# Altium PCB mantarray_beta2_sensor_arrayed.PcbDoc (part 11 of 14)
Units mil, origin at the board's own origin, x right, y up, seen from the top; angles counter-clockwise.
Board outline 6232.47 x 10167.51 mil, 8 copper layers (Layer1_Top, Layer2_sig1, Layer3_AVDD_PLANE, Layer4_GND_PLANE, Layer5_DVDD_PLANE, Layer6_BUS, Layer7_sig2, Layer8_BOT), stack 50.224 mil thick; 470 components, 492 nets, 4650 pads, 3798 vias.
Unrouted connection lines stored in the file: 3.
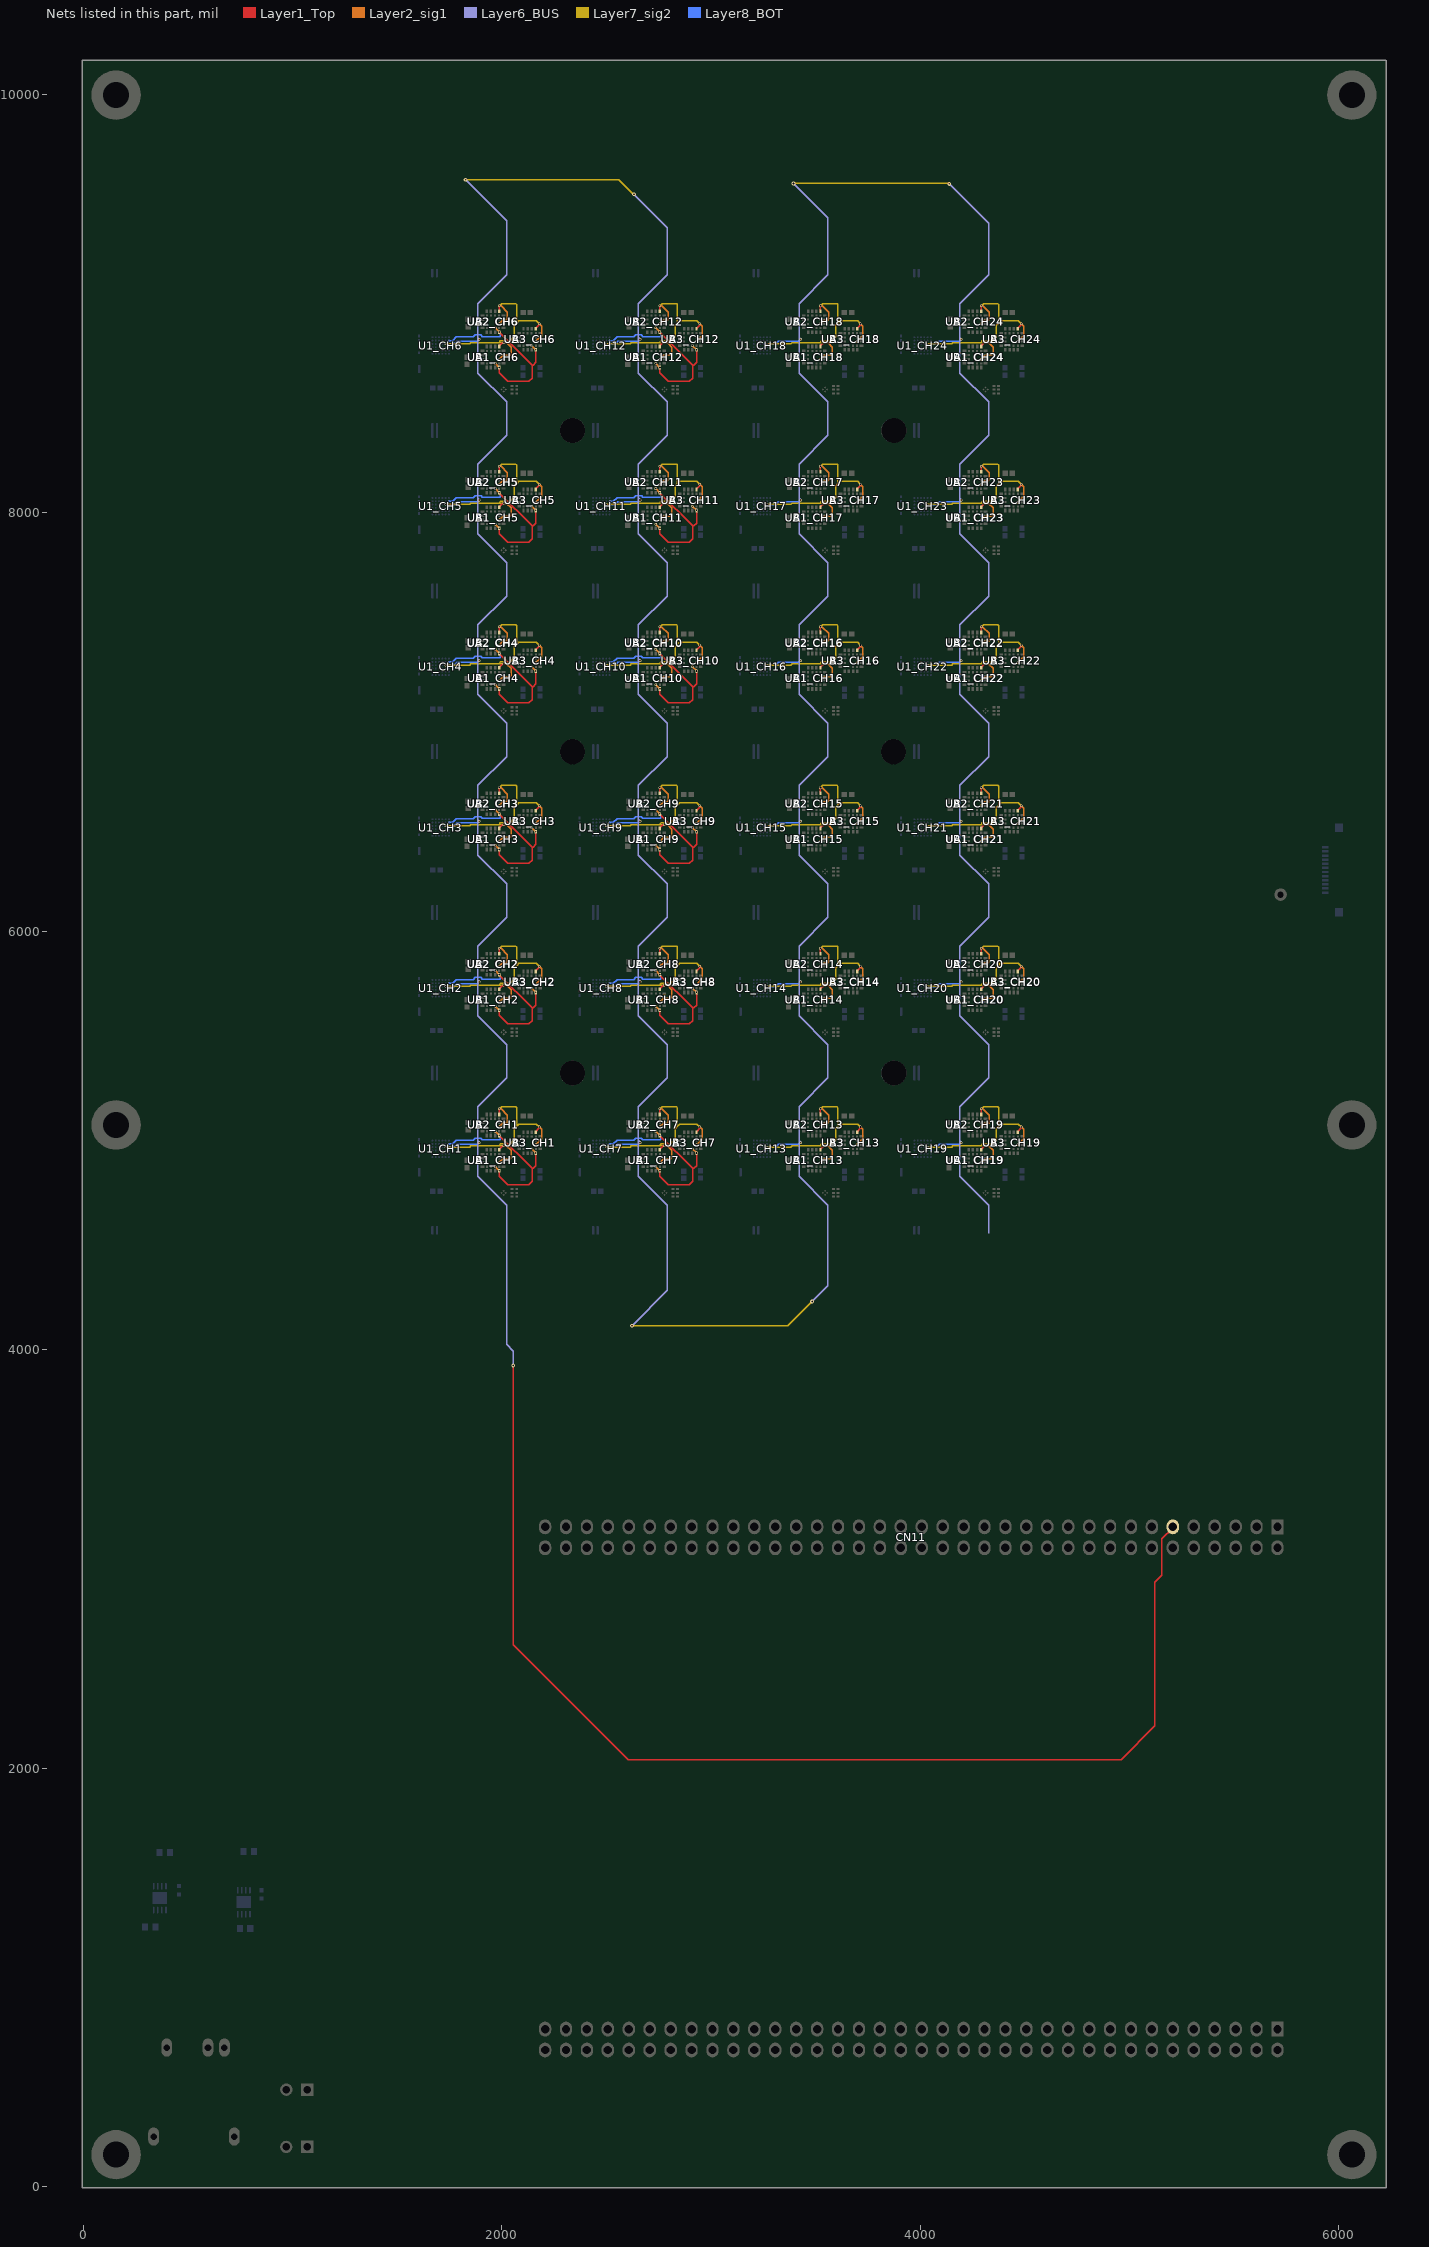
[diagram p17: the nets of this part, all layers, seen from the top]

## Via types
v1: diameter 12/12/12/12/12 (per signal layer), hole 7.87, Layer1_Top to Layer8_BOT, 2208 vias
v2: diameter 32, hole 20, Layer1_Top to Layer8_BOT, 815 vias
v3: diameter 10/10/10/10/10 (per signal layer), hole 7.87, Layer1_Top to Layer8_BOT, 456 vias
v4: diameter 18, hole 8, Layer6_BUS to Layer7_sig2, 102 vias
v5: diameter 10/10 (per signal layer), hole 7.87, Layer7_sig2 to Layer8_BOT, 96 vias
v6: diameter 18, hole 16, Layer1_Top to Layer8_BOT, 57 vias
v7: diameter 12, hole 7.87, Layer1_Top to Layer8_BOT, 26 vias
v8: diameter 18, hole 8, Layer1_Top to Layer8_BOT, 17 vias
v9: diameter 32, hole 16, Layer1_Top to Layer8_BOT, 10 vias
v10: diameter 19.68, hole 7.87, Layer1_Top to Layer8_BOT, 4 vias
v11: diameter 30, hole 20, Layer1_Top to Layer8_BOT, 3 vias
v12: diameter 70.87, hole 47.24, Layer1_Top to Layer8_BOT, 2 vias
v13: diameter 20, hole 16, Layer3_AVDD_PLANE to Layer8_BOT, 1 vias
v14: diameter 20, hole 16, Layer5_DVDD_PLANE to Layer8_BOT, 1 vias

## Nets (pads, with @x,y where several pads share a name; then routed paths per layer and width w, separated by ;. In a path a pad name is that pad's centre, name@x,y a point inside that pad or via, vN(x,y) a via of type N, cw(c..) or ccw(c..) an arc to the next point about the centre after c; other vN are vias at no path point) (continued)
PROGRAMMER_TX: CN11.11 pad.5@2023.62,4557.09 pad.5@2023.62,5320.87 pad.5@2023.62,5324.8 pad.5@2023.62,6088.58 pad.5@2023.62,6092.52 pad.5@2023.62,6856.3 pad.5@2023.62,6860.24 pad.5@2023.62,7624.02 pad.5@2023.62,7627.95 pad.5@2023.62,8391.73 pad.5@2023.62,8395.67 pad.5@2023.62,9159.45 pad.5@2791.34,4557.09 pad.5@2791.34,5320.87 pad.5@2791.34,5324.8 pad.5@2791.34,6088.58 pad.5@2791.34,6092.52 pad.5@2791.34,6856.3 pad.5@2791.34,6860.24 pad.5@2791.34,7624.02 pad.5@2791.34,7627.95 pad.5@2791.34,8391.73 pad.5@2791.34,8395.67 pad.5@2791.34,9159.45 pad.5@3559.06,4557.09 pad.5@3559.06,5320.87 pad.5@3559.06,5324.8 pad.5@3559.06,6088.58 pad.5@3559.06,6092.52 pad.5@3559.06,6856.3 pad.5@3559.06,6860.24 pad.5@3559.06,7624.02 pad.5@3559.06,7627.95 pad.5@3559.06,8391.73 pad.5@3559.06,8395.67 pad.5@3559.06,9159.45 pad.5@4326.77,4557.09 pad.5@4326.77,5320.87 pad.5@4326.77,5324.8 pad.5@4326.77,6088.58 pad.5@4326.77,6092.52 pad.5@4326.77,6856.3 pad.5@4326.77,6860.24 pad.5@4326.77,7624.02 pad.5@4326.77,7627.95 pad.5@4326.77,8391.73 pad.5@4326.77,8395.67 pad.5@4326.77,9159.45 U1_CH1.C1 U1_CH2.C1 U1_CH3.C1 U1_CH4.C1 U1_CH5.C1 U1_CH6.C1 U1_CH7.C1 U1_CH8.C1 U1_CH9.C1 U1_CH10.C1 U1_CH11.C1 U1_CH12.C1 U1_CH13.C1 U1_CH14.C1 U1_CH15.C1 U1_CH16.C1 U1_CH17.C1 U1_CH18.C1 U1_CH19.C1 U1_CH20.C1 U1_CH21.C1 U1_CH22.C1 U1_CH23.C1 U1_CH24.C1 | length 36703.2
  Layer1_Top w6: v8(2055.87,3925.2) 2055.87,2589.8 2604.33,2041.34 4960.63,2041.34 5122.05,2202.76 5122.05,2889.76 5155.51,2923.23 5155.51,3096.06 5207.48,3148.03 CN11.11@5207.48,3153.94
  Layer6_BUS w6: v4(1827.64,9591.42) 2023.62,9395.44 pad.5@2023.62,9159.45 ; v1(1893.7,4990.16) 1893.7,4990.95 1886.62,4998.03 1885.98,4998.03 ; v1(1893.7,5757.87) 1893.7,5758.67 1886.62,5765.75 1885.98,5765.75 ; v1(1893.7,6525.59) 1893.7,6526.38 1886.62,6533.46 1885.98,6533.46 ; v1(1893.7,7293.31) 1893.7,7294.1 1886.62,7301.18 1885.98,7301.18 ; v1(1893.7,8061.02) 1893.7,8061.82 1886.62,8068.9 1885.98,8068.9 ; v1(1893.7,8828.74) 1893.7,8829.53 1886.62,8836.61 1885.98,8836.61 ; pad.5@2023.62,5322.83 2023.62,5299.21 1885.98,5161.57 1885.98,4998.03 ; pad.5@2023.62,5324.8 2023.62,5458.73 1885.98,5596.37 1885.98,5765.75 ; pad.5@2023.62,6090.55 2023.62,6066.93 1885.98,5929.29 1885.98,5765.75 ; pad.5@2023.62,6092.52 2023.62,6226.45 1885.98,6364.09 1885.98,6533.46 ; pad.5@2023.62,6858.27 2023.62,6834.65 1885.98,6697.01 1885.98,6533.46 ; pad.5@2023.62,6860.24 2023.62,6994.16 1885.98,7131.8 1885.98,7301.18 ; pad.5@2023.62,7625.98 2023.62,7602.36 1885.98,7464.72 1885.98,7301.18 ; pad.5@2023.62,7627.95 2023.62,7761.88 1885.98,7899.52 1885.98,8068.9 ; pad.5@2023.62,8393.7 2023.62,8370.08 1885.98,8232.44 1885.98,8068.9 ; pad.5@2023.62,8395.67 2023.62,8529.6 1885.98,8667.24 1885.98,8836.61 ; pad.5@2023.62,9161.42 2023.62,9137.8 1885.98,9000.16 1885.98,8836.61 ; v8(2055.87,3925.2) 2055.87,3993.34 2023.62,4025.59 pad.5@2023.62,4557.09 2023.62,4691.01 1885.98,4828.65 1885.98,4998.03 ; v4(2622.92,4115.27) 2791.34,4283.69 pad.5@2791.34,4557.09 2791.34,4691.01 2653.7,4828.65 2653.7,4998.03 ; v4(2632.19,9521.95) 2791.34,9362.8 pad.5@2791.34,9159.45 ; v1(2661.42,4990.16) 2661.42,4990.95 2654.34,4998.03 2653.7,4998.03 ; v1(2661.42,5757.87) 2661.42,5758.67 2654.34,5765.75 2653.7,5765.75 ; v1(2661.42,6525.59) 2661.42,6526.38 2654.34,6533.46 2653.7,6533.46 ; v1(2661.42,7293.31) 2661.42,7294.1 2654.34,7301.18 2653.7,7301.18 ; v1(2661.42,8061.02) 2661.42,8061.82 2654.34,8068.9 2653.7,8068.9 ; v1(2661.42,8828.74) 2661.42,8829.53 2654.34,8836.61 2653.7,8836.61 ; pad.5@2791.34,5322.83 2791.34,5299.21 2653.7,5161.57 2653.7,4998.03 ; pad.5@2791.34,5324.8 2791.34,5458.73 2653.7,5596.37 2653.7,5765.75 ; pad.5@2791.34,6090.55 2791.34,6066.93 2653.7,5929.29 2653.7,5765.75 ; pad.5@2791.34,6092.52 2791.34,6226.45 2653.7,6364.09 2653.7,6533.46 ; pad.5@2791.34,6858.27 2791.34,6834.65 2653.7,6697.01 2653.7,6533.46 ; pad.5@2791.34,6860.24 2791.34,6994.16 2653.7,7131.8 2653.7,7301.18 ; pad.5@2791.34,7625.98 2791.34,7602.36 2653.7,7464.72 2653.7,7301.18 ; pad.5@2791.34,7627.95 2791.34,7761.88 2653.7,7899.52 2653.7,8068.9 ; pad.5@2791.34,8393.7 2791.34,8370.08 2653.7,8232.44 2653.7,8068.9 ; pad.5@2791.34,8395.67 2791.34,8529.6 2653.7,8667.24 2653.7,8836.61 ; pad.5@2791.34,9161.42 2791.34,9137.8 2653.7,9000.16 2653.7,8836.61 ; v4(3394.57,9573.7) 3559.06,9409.22 pad.5@3559.06,9159.45 ; v1(3429.13,4990.16) 3429.13,4990.95 3422.05,4998.03 3421.42,4998.03 ; v1(3429.13,5757.87) 3429.13,5758.67 3422.05,5765.75 3421.42,5765.75 ; v1(3429.13,6525.59) 3429.13,6526.38 3422.05,6533.46 3421.42,6533.46 ; v1(3429.13,7293.31) 3429.13,7294.1 3422.05,7301.18 3421.42,7301.18 ; v1(3429.13,8061.02) 3429.13,8061.82 3422.05,8068.9 3421.42,8068.9 ; v1(3429.13,8828.74) 3429.13,8829.53 3422.05,8836.61 3421.42,8836.61 ; v4(3483.57,4231) 3559.06,4306.49 pad.5@3559.06,4557.09 3559.06,4691.01 3421.42,4828.65 3421.42,4998.03 ; pad.5@3559.06,5322.83 3559.06,5299.21 3421.42,5161.57 3421.42,4998.03 ; pad.5@3559.06,5324.8 3559.06,5458.73 3421.42,5596.37 3421.42,5765.75 ; pad.5@3559.06,6090.55 3559.06,6066.93 3421.42,5929.29 3421.42,5765.75 ; pad.5@3559.06,6092.52 3559.06,6226.45 3421.42,6364.09 3421.42,6533.46 ; pad.5@3559.06,6858.27 3559.06,6834.65 3421.42,6697.01 3421.42,6533.46 ; pad.5@3559.06,6860.24 3559.06,6994.16 3421.42,7131.8 3421.42,7301.18 ; pad.5@3559.06,7625.98 3559.06,7602.36 3421.42,7464.72 3421.42,7301.18 ; pad.5@3559.06,7627.95 3559.06,7761.88 3421.42,7899.52 3421.42,8068.9 ; pad.5@3559.06,8393.7 3559.06,8370.08 3421.42,8232.44 3421.42,8068.9 ; pad.5@3559.06,8395.67 3559.06,8529.6 3421.42,8667.24 3421.42,8836.61 ; pad.5@3559.06,9161.42 3559.06,9137.8 3421.42,9000.16 3421.42,8836.61 ; v4(4138.66,9571.74) 4327.53,9382.87 pad.5@4327.53,9160.2 ; v1(4196.85,4990.16) 4196.85,4990.95 4189.77,4998.03 4189.13,4998.03 ; v1(4196.85,5757.87) 4196.85,5758.67 4189.77,5765.75 4189.13,5765.75 ; v1(4196.85,6525.59) 4196.85,6526.38 4189.77,6533.46 4189.13,6533.46 ; v1(4196.85,7293.31) 4196.85,7294.1 4189.77,7301.18 4189.13,7301.18 ; v1(4196.85,8061.02) 4196.85,8061.82 4189.77,8068.9 4189.13,8068.9 ; v1(4196.85,8828.74) 4196.85,8829.53 4189.77,8836.61 4189.13,8836.61 ; pad.5@4326.77,4557.09 4326.77,4691.01 4189.13,4828.65 4189.13,4998.03 ; pad.5@4326.77,5322.83 4326.77,5299.21 4189.13,5161.57 4189.13,4998.03 ; pad.5@4326.77,5324.8 4326.77,5458.73 4189.13,5596.37 4189.13,5765.75 ; pad.5@4326.77,6090.55 4326.77,6066.93 4189.13,5929.29 4189.13,5765.75 ; pad.5@4326.77,6092.52 4326.77,6226.45 4189.13,6364.09 4189.13,6533.46 ; pad.5@4326.77,6858.27 4326.77,6834.65 4189.13,6697.01 4189.13,6533.46 ; pad.5@4326.77,6860.24 4326.77,6994.16 4189.13,7131.8 4189.13,7301.18 ; pad.5@4326.77,7625.98 4326.77,7602.36 4189.13,7464.72 4189.13,7301.18 ; pad.5@4326.77,7627.95 4326.77,7761.88 4189.13,7899.52 4189.13,8068.9 ; pad.5@4326.77,8393.7 4326.77,8370.08 4189.13,8232.44 4189.13,8068.9 ; pad.5@4326.77,8395.67 4326.77,8529.6 4189.13,8667.24 4189.13,8836.61 ; pad.5@4326.77,9161.42 4326.77,9137.8 4189.13,9000.16 4189.13,8836.61
  Layer7_sig2 w6: v4(1827.64,9591.42) 2560.15,9591.42 2629.62,9521.95 v4(2632.19,9521.95) ; v4(2622.92,4115.27) 3367.84,4115.27 v4(3483.57,4231) ; v4(3394.57,9573.7) 4136.7,9573.7 v4(4138.66,9571.74)
  Layer8_BOT w6: U1_CH1.C1@1748.03,4968.5 1773.62,4968.5 1787.4,4982.28 1884.2,4982.28 1892.08,4990.16 v1(1893.7,4990.16) ; U1_CH2.C1@1748.03,5736.22 1773.62,5736.22 1787.4,5750 1884.2,5750 1892.08,5757.87 v1(1893.7,5757.87) ; U1_CH3.C1@1748.03,6503.94 1773.62,6503.94 1787.4,6517.72 1884.2,6517.72 1892.08,6525.59 v1(1893.7,6525.59) ; U1_CH4.C1@1748.03,7271.65 1773.62,7271.65 1787.4,7285.43 1884.2,7285.43 1892.08,7293.31 v1(1893.7,7293.31) ; U1_CH5.C1@1748.03,8039.37 1773.62,8039.37 1787.4,8053.15 1884.2,8053.15 1892.08,8061.02 v1(1893.7,8061.02) ; U1_CH6.C1@1748.03,8807.09 1773.62,8807.09 1787.4,8820.87 1884.2,8820.87 1892.08,8828.74 v1(1893.7,8828.74) ; U1_CH7.C1@2515.75,4968.5 2541.34,4968.5 2555.12,4982.28 2651.92,4982.28 2659.79,4990.16 v1(2661.42,4990.16) ; U1_CH8.C1@2515.75,5736.22 2541.34,5736.22 2555.12,5750 2651.92,5750 2659.79,5757.87 v1(2661.42,5757.87) ; U1_CH9.C1@2515.75,6503.94 2541.34,6503.94 2555.12,6517.72 2651.92,6517.72 2659.79,6525.59 v1(2661.42,6525.59) ; U1_CH10.C1@2515.75,7271.65 2541.34,7271.65 2555.12,7285.43 2651.92,7285.43 2659.79,7293.31 v1(2661.42,7293.31) ; U1_CH11.C1@2515.75,8039.37 2541.34,8039.37 2555.12,8053.15 2651.92,8053.15 2659.79,8061.02 v1(2661.42,8061.02) ; U1_CH12.C1@2515.75,8807.09 2541.34,8807.09 2555.12,8820.87 2651.92,8820.87 2659.79,8828.74 v1(2661.42,8828.74) ; U1_CH13.C1@3283.46,4968.5 3309.06,4968.5 3322.83,4982.28 3419.64,4982.28 3427.51,4990.16 v1(3429.13,4990.16) ; U1_CH14.C1@3283.46,5736.22 3309.06,5736.22 3322.83,5750 3419.64,5750 3427.51,5757.87 v1(3429.13,5757.87) ; U1_CH15.C1@3283.46,6503.94 3309.06,6503.94 3322.83,6517.72 3419.64,6517.72 3427.51,6525.59 v1(3429.13,6525.59) ; U1_CH16.C1@3283.46,7271.65 3309.06,7271.65 3322.83,7285.43 3419.64,7285.43 3427.51,7293.31 v1(3429.13,7293.31) ; U1_CH17.C1@3283.46,8039.37 3309.06,8039.37 3322.83,8053.15 3419.64,8053.15 3427.51,8061.02 v1(3429.13,8061.02) ; U1_CH18.C1@3283.46,8807.09 3309.06,8807.09 3322.83,8820.87 3419.64,8820.87 3427.51,8828.74 v1(3429.13,8828.74) ; U1_CH19.C1@4051.18,4968.5 4076.77,4968.5 4090.55,4982.28 4187.35,4982.28 4195.23,4990.16 v1(4196.85,4990.16) ; U1_CH20.C1@4051.18,5736.22 4076.77,5736.22 4090.55,5750 4187.35,5750 4195.23,5757.87 v1(4196.85,5757.87) ; U1_CH21.C1@4051.18,6503.94 4076.77,6503.94 4090.55,6517.72 4187.35,6517.72 4195.23,6525.59 v1(4196.85,6525.59) ; U1_CH22.C1@4051.18,7271.65 4076.77,7271.65 4090.55,7285.43 4187.35,7285.43 4195.23,7293.31 v1(4196.85,7293.31) ; U1_CH23.C1@4051.18,8039.37 4076.77,8039.37 4090.55,8053.15 4187.35,8053.15 4195.23,8061.02 v1(4196.85,8061.02) ; U1_CH24.C1@4051.18,8807.09 4076.77,8807.09 4090.55,8820.87 4187.35,8820.87 4195.23,8828.74 v1(4196.85,8828.74) ; CN11.11@5207.48,3148.03 CN11.11@5207.48,3153.94
spi1_miso_CH1: U1_CH1.C2 UA1_CH1.11 UA2_CH1.11 UA3_CH1.11 UB1_CH1.5 UB2_CH1.5 UB3_CH1.5 | length 1201.4
  Layer1_Top w6: UB1_CH1.5@1988.19,4955.71 1988.19,4958.66 2002.79,4973.26 2008.69,4973.26 v1(2009.84,4974.41) ; UB2_CH1.5@1988.19,5125 v1(1988.19,5151.57) ; UB3_CH1.5@2163.39,5040.35 2163.39,5043.31 2177.99,5057.91 2177.99,5063.81 v1(2179.13,5064.96)
  Layer2_sig1 w6: v1(1988.19,5064.96) 2005.91,5082.68 2024.04,5082.68 2027.56,5086.19 2027.56,5120.5 1996.94,5151.12 1988.65,5151.12 v1(1988.19,5151.57) ; v1(1989.17,4895.39) 2007.17,4913.39 2041.6,4913.39 2045.12,4916.9 2045.12,4953.18 2024.84,4973.45 2010.8,4973.45 v1(2009.84,4974.41) ; v1(2163.39,4980.31) 2190.94,5007.87 2190.94,5053.15 v1(2179.13,5064.96)
  Layer7_sig2 w6: v3(1732.28,4968.5) 1732.69,4968.91 1846.87,4968.91 1852.36,4974.41 1990.16,4974.41 ; v1(1988.19,5151.57) 1989.72,5151.57 1999.56,5161.42 2068.34,5161.42 2071.85,5157.9 2071.85,5067.91 ; v1(2009.84,4974.41) 1990.16,4974.41 ; v1(2179.13,5064.96) 2165.35,5078.74 2082.68,5078.74 2071.85,5067.91 ; 1990.16,4974.41 1990.16,4980.31 1994.09,4984.25 2041.34,4984.25 2061.02,5003.94 2061.02,5057.09 2071.85,5067.91
spi1_miso_CH2: U1_CH2.C2 UA1_CH2.11 UA2_CH2.11 UA3_CH2.11 UB1_CH2.5 UB2_CH2.5 UB3_CH2.5 | length 1201.4
  Layer1_Top w6: UB1_CH2.5@1988.19,5723.43 1988.19,5726.38 2002.79,5740.98 2008.69,5740.98 v1(2009.84,5742.13) ; UB2_CH2.5@1988.19,5892.72 v1(1988.19,5919.29) ; UB3_CH2.5@2163.39,5808.07 2163.39,5811.02 2177.99,5825.62 2177.99,5831.53 v1(2179.13,5832.68)
  Layer2_sig1 w6: v1(1988.19,5832.68) 2005.91,5850.39 2024.04,5850.39 2027.56,5853.91 2027.56,5888.22 1996.94,5918.83 1988.65,5918.83 v1(1988.19,5919.29) ; v1(1989.17,5663.11) 2007.17,5681.1 2041.6,5681.1 2045.12,5684.62 2045.12,5720.89 2024.84,5741.17 2010.8,5741.17 v1(2009.84,5742.13) ; v1(2163.39,5748.03) 2190.94,5775.59 2190.94,5820.87 v1(2179.13,5832.68)
  Layer7_sig2 w6: v3(1732.28,5736.22) 1732.69,5736.63 1846.87,5736.63 1852.36,5742.13 1990.16,5742.13 ; v1(1988.19,5919.29) 1989.72,5919.29 1999.56,5929.13 2068.34,5929.13 2071.85,5925.62 2071.85,5835.63 ; v1(2009.84,5742.13) 1990.16,5742.13 ; v1(2179.13,5832.68) 2165.35,5846.46 2082.68,5846.46 2071.85,5835.63 ; 1990.16,5742.13 1990.16,5748.03 1994.09,5751.97 2041.34,5751.97 2061.02,5771.65 2061.02,5824.8 2071.85,5835.63
spi1_miso_CH3: U1_CH3.C2 UA1_CH3.11 UA2_CH3.11 UA3_CH3.11 UB1_CH3.5 UB2_CH3.5 UB3_CH3.5 | length 1201.4
  Layer1_Top w6: UB1_CH3.5@1988.19,6491.14 1988.19,6494.09 2002.79,6508.69 2008.69,6508.69 v1(2009.84,6509.84) ; UB2_CH3.5@1988.19,6660.43 v1(1988.19,6687.01) ; UB3_CH3.5@2163.39,6575.79 2163.39,6578.74 2177.99,6593.34 2177.99,6599.25 v1(2179.13,6600.39)
  Layer2_sig1 w6: v1(1988.19,6600.39) 2005.91,6618.11 2024.04,6618.11 2027.56,6621.62 2027.56,6655.93 1996.94,6686.55 1988.65,6686.55 v1(1988.19,6687.01) ; v1(1989.17,6430.82) 2007.17,6448.82 2041.6,6448.82 2045.12,6452.33 2045.12,6488.61 2024.84,6508.89 2010.8,6508.89 v1(2009.84,6509.84) ; v1(2163.39,6515.75) 2190.94,6543.31 2190.94,6588.58 v1(2179.13,6600.39)
  Layer7_sig2 w6: v3(1732.28,6503.94) 1732.69,6504.35 1846.87,6504.35 1852.36,6509.84 1990.16,6509.84 ; v1(1988.19,6687.01) 1989.72,6687.01 1999.56,6696.85 2068.34,6696.85 2071.85,6693.34 2071.85,6603.35 ; v1(2009.84,6509.84) 1990.16,6509.84 ; v1(2179.13,6600.39) 2165.35,6614.17 2082.68,6614.17 2071.85,6603.35 ; 1990.16,6509.84 1990.16,6515.75 1994.09,6519.69 2041.34,6519.69 2061.02,6539.37 2061.02,6592.52 2071.85,6603.35
spi1_miso_CH4: U1_CH4.C2 UA1_CH4.11 UA2_CH4.11 UA3_CH4.11 UB1_CH4.5 UB2_CH4.5 UB3_CH4.5 | length 1201.4
  Layer1_Top w6: UB1_CH4.5@1988.19,7258.86 1988.19,7261.81 2002.79,7276.41 2008.69,7276.41 v1(2009.84,7277.56) ; UB2_CH4.5@1988.19,7428.15 v1(1988.19,7454.72) ; UB3_CH4.5@2163.39,7343.5 2163.39,7346.46 2177.99,7361.06 2177.99,7366.96 v1(2179.13,7368.11)
  Layer2_sig1 w6: v1(1988.19,7368.11) 2005.91,7385.83 2024.04,7385.83 2027.56,7389.34 2027.56,7423.65 1996.94,7454.27 1988.65,7454.27 v1(1988.19,7454.72) ; v1(1989.17,7198.54) 2007.17,7216.54 2041.6,7216.54 2045.12,7220.05 2045.12,7256.33 2024.84,7276.6 2010.8,7276.6 v1(2009.84,7277.56) ; v1(2163.39,7283.46) 2190.94,7311.02 2190.94,7356.3 v1(2179.13,7368.11)
  Layer7_sig2 w6: v3(1732.28,7271.65) 1732.69,7272.06 1846.87,7272.06 1852.36,7277.56 1990.16,7277.56 ; v1(1988.19,7454.72) 1989.72,7454.72 1999.56,7464.57 2068.34,7464.57 2071.85,7461.05 2071.85,7371.06 ; v1(2009.84,7277.56) 1990.16,7277.56 ; v1(2179.13,7368.11) 2165.35,7381.89 2082.68,7381.89 2071.85,7371.06 ; 1990.16,7277.56 1990.16,7283.46 1994.09,7287.4 2041.34,7287.4 2061.02,7307.09 2061.02,7360.24 2071.85,7371.06
spi1_miso_CH5: U1_CH5.C2 UA1_CH5.11 UA2_CH5.11 UA3_CH5.11 UB1_CH5.5 UB2_CH5.5 UB3_CH5.5 | length 1201.4
  Layer1_Top w6: UB1_CH5.5@1988.19,8026.57 1988.19,8029.53 2002.79,8044.13 2008.69,8044.13 v1(2009.84,8045.28) ; UB2_CH5.5@1988.19,8195.87 v1(1988.19,8222.44) ; UB3_CH5.5@2163.39,8111.22 2163.39,8114.17 2177.99,8128.77 2177.99,8134.68 v1(2179.13,8135.83)
  Layer2_sig1 w6: v1(1988.19,8135.83) 2005.91,8153.54 2024.04,8153.54 2027.56,8157.06 2027.56,8191.37 1996.94,8221.98 1988.65,8221.98 v1(1988.19,8222.44) ; v1(1989.17,7966.26) 2007.17,7984.25 2041.6,7984.25 2045.12,7987.77 2045.12,8024.04 2024.84,8044.32 2010.8,8044.32 v1(2009.84,8045.28) ; v1(2163.39,8051.18) 2190.94,8078.74 2190.94,8124.02 v1(2179.13,8135.83)
  Layer7_sig2 w6: v3(1732.28,8039.37) 1732.69,8039.78 1846.87,8039.78 1852.36,8045.28 1990.16,8045.28 ; v1(1988.19,8222.44) 1989.72,8222.44 1999.56,8232.28 2068.34,8232.28 2071.85,8228.77 2071.85,8138.78 ; v1(2009.84,8045.28) 1990.16,8045.28 ; v1(2179.13,8135.83) 2165.35,8149.61 2082.68,8149.61 2071.85,8138.78 ; 1990.16,8045.28 1990.16,8051.18 1994.09,8055.12 2041.34,8055.12 2061.02,8074.8 2061.02,8127.95 2071.85,8138.78
spi1_miso_CH6: U1_CH6.C2 UA1_CH6.11 UA2_CH6.11 UA3_CH6.11 UB1_CH6.5 UB2_CH6.5 UB3_CH6.5 | length 1201.4
  Layer1_Top w6: UB1_CH6.5@1988.19,8794.29 1988.19,8797.24 2002.79,8811.84 2008.69,8811.84 v1(2009.84,8812.99) ; UB2_CH6.5@1988.19,8963.58 v1(1988.19,8990.16) ; UB3_CH6.5@2163.39,8878.94 2163.39,8881.89 2177.99,8896.49 2177.99,8902.4 v1(2179.13,8903.54)
  Layer2_sig1 w6: v1(1988.19,8903.54) 2005.91,8921.26 2024.04,8921.26 2027.56,8924.77 2027.56,8959.08 1996.94,8989.7 1988.65,8989.7 v1(1988.19,8990.16) ; v1(1989.17,8733.97) 2007.17,8751.97 2041.6,8751.97 2045.12,8755.48 2045.12,8791.76 2024.84,8812.04 2010.8,8812.04 v1(2009.84,8812.99) ; v1(2163.39,8818.9) 2190.94,8846.46 2190.94,8891.73 v1(2179.13,8903.54)
  Layer7_sig2 w6: v3(1732.28,8807.09) 1732.69,8807.5 1846.87,8807.5 1852.36,8812.99 1990.16,8812.99 ; v1(1988.19,8990.16) 1989.72,8990.16 1999.56,9000 2068.34,9000 2071.85,8996.49 2071.85,8906.5 ; v1(2009.84,8812.99) 1990.16,8812.99 ; v1(2179.13,8903.54) 2165.35,8917.32 2082.68,8917.32 2071.85,8906.5 ; 1990.16,8812.99 1990.16,8818.9 1994.09,8822.83 2041.34,8822.83 2061.02,8842.52 2061.02,8895.67 2071.85,8906.5
spi1_miso_CH7: U1_CH7.C2 UA1_CH7.11 UA2_CH7.11 UA3_CH7.11 UB1_CH7.5 UB2_CH7.5 UB3_CH7.5 | length 1201.4
  Layer1_Top w6: UB1_CH7.5@2755.91,4955.71 2755.91,4958.66 2770.51,4973.26 2776.41,4973.26 v1(2777.56,4974.41) ; UB2_CH7.5@2755.91,5125 v1(2755.91,5151.57) ; UB3_CH7.5@2931.1,5040.35 2931.1,5043.31 2945.7,5057.91 2945.7,5063.81 v1(2946.85,5064.96)
  Layer2_sig1 w6: v1(2755.91,5064.96) 2773.62,5082.68 2791.76,5082.68 2795.28,5086.19 2795.28,5120.5 2764.66,5151.12 2756.36,5151.12 v1(2755.91,5151.57) ; v1(2756.89,4895.39) 2774.89,4913.39 2809.32,4913.39 2812.83,4916.9 2812.83,4953.18 2792.56,4973.45 2778.51,4973.45 v1(2777.56,4974.41) ; v1(2931.1,4980.31) 2958.66,5007.87 2958.66,5053.15 v1(2946.85,5064.96)
  Layer7_sig2 w6: v3(2500,4968.5) 2500.41,4968.91 2614.58,4968.91 2620.08,4974.41 2757.87,4974.41 ; v1(2755.91,5151.57) 2757.43,5151.57 2767.28,5161.42 2836.05,5161.42 2839.57,5157.9 2839.57,5067.91 ; v1(2777.56,4974.41) 2757.87,4974.41 ; v1(2946.85,5064.96) 2933.07,5078.74 2850.39,5078.74 2839.57,5067.91 ; 2757.87,4974.41 2757.87,4980.31 2761.81,4984.25 2809.06,4984.25 2828.74,5003.94 2828.74,5057.09 2839.57,5067.91
spi1_miso_CH8: U1_CH8.C2 UA1_CH8.11 UA2_CH8.11 UA3_CH8.11 UB1_CH8.5 UB2_CH8.5 UB3_CH8.5 | length 1201.4
  Layer1_Top w6: UB1_CH8.5@2755.91,5723.43 2755.91,5726.38 2770.51,5740.98 2776.41,5740.98 v1(2777.56,5742.13) ; UB2_CH8.5@2755.91,5892.72 v1(2755.91,5919.29) ; UB3_CH8.5@2931.1,5808.07 2931.1,5811.02 2945.7,5825.62 2945.7,5831.53 v1(2946.85,5832.68)
  Layer2_sig1 w6: v1(2755.91,5832.68) 2773.62,5850.39 2791.76,5850.39 2795.28,5853.91 2795.28,5888.22 2764.66,5918.83 2756.36,5918.83 v1(2755.91,5919.29) ; v1(2756.89,5663.11) 2774.89,5681.1 2809.32,5681.1 2812.83,5684.62 2812.83,5720.89 2792.56,5741.17 2778.51,5741.17 v1(2777.56,5742.13) ; v1(2931.1,5748.03) 2958.66,5775.59 2958.66,5820.87 v1(2946.85,5832.68)
  Layer7_sig2 w6: v3(2500,5736.22) 2500.41,5736.63 2614.58,5736.63 2620.08,5742.13 2757.87,5742.13 ; v1(2755.91,5919.29) 2757.43,5919.29 2767.28,5929.13 2836.05,5929.13 2839.57,5925.62 2839.57,5835.63 ; v1(2777.56,5742.13) 2757.87,5742.13 ; v1(2946.85,5832.68) 2933.07,5846.46 2850.39,5846.46 2839.57,5835.63 ; 2757.87,5742.13 2757.87,5748.03 2761.81,5751.97 2809.06,5751.97 2828.74,5771.65 2828.74,5824.8 2839.57,5835.63
spi1_miso_CH9: U1_CH9.C2 UA1_CH9.11 UA2_CH9.11 UA3_CH9.11 UB1_CH9.5 UB2_CH9.5 UB3_CH9.5 | length 1201.4